# Altium PCB EEar01.PcbDoc (part 2 of 2)
Units mm, origin at the board's own origin, x right, y up, seen from the top; angles counter-clockwise.
Board outline 140 x 100 mm, 2 copper layers (Top Layer, Bottom Layer); 122 components, 86 nets, 571 pads, 1020 vias.
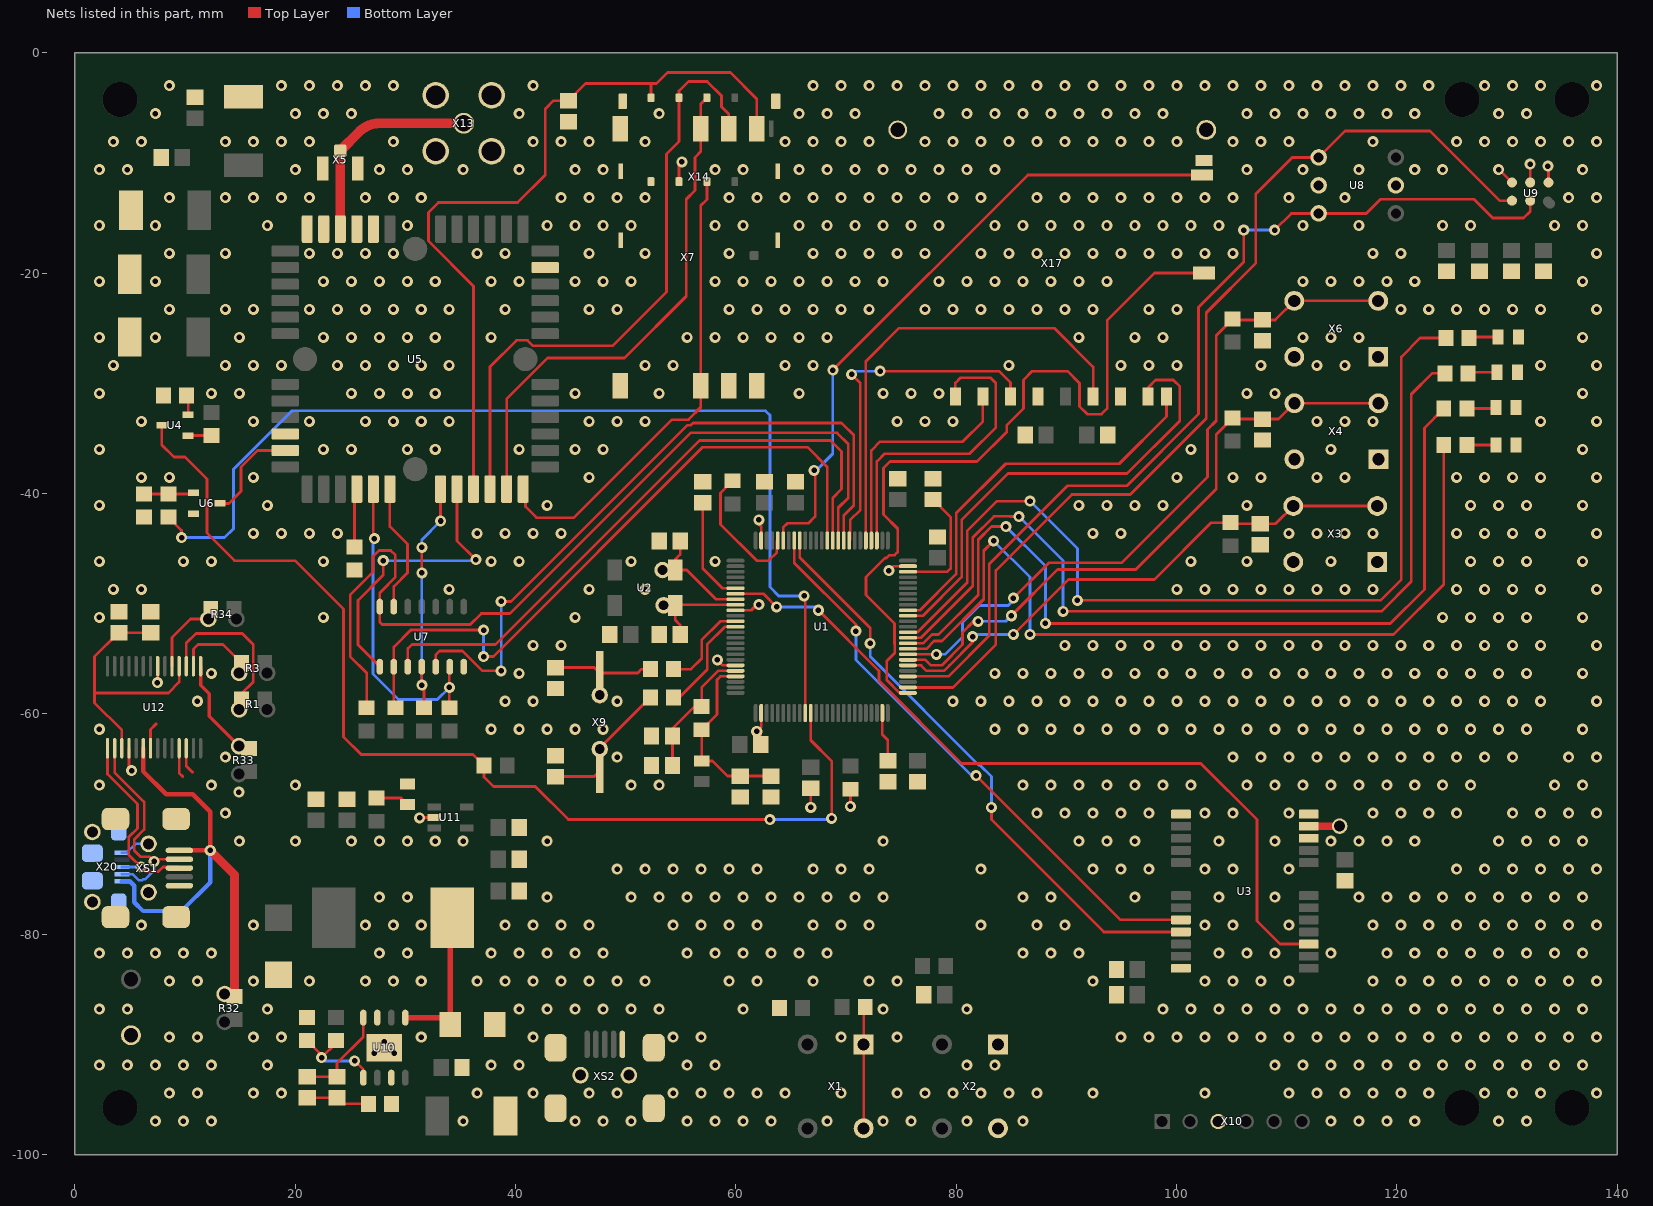
[diagram p2: the nets of this part, all layers, seen from the top]

## Via types
v1: diameter 1, hole 0.5, Top Layer to Bottom Layer, tented both sides, 1020 vias

## Nets (pads, with @x,y where several pads share a name; then routed paths per layer and width w, separated by ;. In a path a pad name is that pad's centre, name@x,y a point inside that pad or via, vN(x,y) a via of type N, cw(c..) or ccw(c..) an arc to the next point about the centre after c; other vN are vias at no path point) (continued)
GND: C1.2 C2.2 C3.2 C4.2 C5.2 C6.2 C7.2 C8.2 C9.2 C10.2 C11.2 C12.2 C13.2 C14.2 C15.2 C16.2 C17.2 C18.2 C19.1 C20.1 C21.2 C22.2 C23.2 C24.2 C25.2 C26.2 C27.2 C28.2 C29.2 C30.2 C31.2 C32.2 C33.2 C34.2 C35.2 C36.2 C37.2 C38.2 C41.2 C42.2 C43.2 C44.2 C45.2 C46.2 C47.2 C51.2 C52.2 C53.2 C54.2 D1.1 D2.1 D3.1 D4.1 D5.2 D6.1 R4.1 R17.1 R20.1 R23.2 R27.1 R29.2 R31.2 U1.10 U1.20 U1.27 U1.74 U1.99 U3.10 U3.12 U3.13 U3.24 U5.23 U5.32 U5.33 U5.35 U5.36 U5.46 U6.2 U7.7 U8.2 U8.5 U9.1 U9.2 U9.3 U10.3 U10.7 U10.9 U11.2 U12.7 U12.18 U12.21 U12.25 U12.26 X2.1 X2.3 X3.1 X3.3 X4.1 X4.3 X5.2 X5.3 X6.1 X6.3 X7.C4 X7.C5 X7.C6 X7.C8 X10.3 X13.1 X13.2 X13.3 X13.4 X14.C5 X14.C6 X14.GND1 X14.GND2 X14.GND3 X14.GND4 X14.GND5 X14.GND6 X16.2 X17.3 X17.6 X17.12 X17.13 X17.14 X20.5 X20.6 X20.7 X20.8 X20.9 X20.10 X20.11 XS1.5 XS1.6 XS1.7 XS1.8 XS1.9 XS1.10 XS1.11 XS2.5 XS2.6 XS2.7 XS2.8 XS2.9 XS2.10 XS2.11 | length 37.3
  Top Layer w0.25: U12.18@4.925,-63.125 4.925,-64.925 v1(5.162,-65.162) ; U12.21@6.875,-63.125 6.875,-61.425 7.4,-60.9 ; v1(7.493,-57.175) 7.425,-57.175 7.525,-57.075 U12.7@7.525,-55.675 ; U12.25@9.475,-63.125 9.475,-65.375 9.8,-65.7 ; U12.26@10.125,-63.125 10.125,-64.725 10.7,-65.3 ; v1@31.306,-69.4 U11.2@32.625,-69.4 ; X14.C6@54.84,-11.7 54.84,-10.16 v1(55.1,-9.9) ; v1(58.325,-55.1) 58.3,-55.1 58.8,-55.6 U1.20@59.975,-55.6 ; U1.10@59.975,-50.6 61.4,-50.6 62,-50 v1(62.1,-50.1) ; v1(62.1,-42.4) 61.9,-42.4 61.8,-42.5 62.3,-43 U1.99@62.3,-44.275 ; C12.2@62.25,-62.8 62.25,-61.55 61.95,-61.55 62.3,-61.2 U1.27@62.3,-59.925 ; v1(66.8,-68.5) C11.2@66.8,-66.75 ; v1(70.4,-68.4) R17.1@70.4,-66.85 ; v1(73.9,-47) 74.3,-46.6 U1.74@75.625,-46.6 ; v1(129.24,-10.6) 129.275,-10.6 U9.3@130.45,-11.775 ; U9.2@132.1,-11.775 v1(132.1,-10.1) ; v1(133.7,-10.3) 133.75,-10.35 U9.1@133.75,-11.775
  Bottom Layer w0.25: X20.5@4.275,-72.6 4.7,-72.6 5.5,-71.8 XS1.10@6.7,-71.8
  other v1: 7.32,-96.96 9.86,-96.96 12.4,-96.96 35.26,-96.96 45.42,-96.96 47.96,-96.96 50.5,-96.96 55.58,-96.96 58.12,-96.96 60.66,-96.96 63.2,-96.96 68.28,-96.96 73.36,-96.96 75.9,-96.96 80.98,-96.96 86.06,-96.96 114,-96.96 116.54,-96.96 119.08,-96.96 121.62,-96.96 129.24,-96.96 131.78,-96.96 8.59,-94.42 11.13,-94.42 16.21,-94.42 18.75,-94.42 36.53,-94.42 41.61,-94.42 46.69,-94.42 49.23,-94.42 54.31,-94.42 56.85,-94.42 59.39,-94.42 61.93,-94.42 64.47,-94.42 69.55,-94.42 74.63,-94.42 77.17,-94.42 79.71,-94.42 82.25,-94.42 84.79,-94.42 87.33,-94.42 92.41,-94.42 102.57,-94.42 110.19,-94.42 112.73,-94.42 115.27,-94.42 117.81,-94.42 120.35,-94.42 122.89,-94.42 127.97,-94.42 130.51,-94.42 133.05,-94.42 138.13,-94.42 2.24,-91.88 4.78,-91.88 7.32,-91.88 9.86,-91.88 12.4,-91.88 17.48,-91.88 37.8,-91.88 40.34,-91.88 55.58,-91.88 58.12,-91.88 80.98,-91.88 83.52,-91.88 108.92,-91.88 111.46,-91.88 114,-91.88 116.54,-91.88 119.08,-91.88 121.62,-91.88 124.16,-91.88 126.7,-91.88 129.24,-91.88 131.78,-91.88 134.32,-91.88 136.86,-91.88 27.2,-90.8 29,-90.8 28.1,-89.75 8.59,-89.34 11.13,-89.34 16.21,-89.34 18.75,-89.34 31.45,-89.34 41.61,-89.34 54.31,-89.34 56.85,-89.34 69.55,-89.34 74.63,-89.34 94.95,-89.34 97.49,-89.34 100.03,-89.34 102.57,-89.34 105.11,-89.34 107.65,-89.34 110.19,-89.34 112.73,-89.34 115.27,-89.34 117.81,-89.34 120.35,-89.34 122.89,-89.34 125.43,-89.34 127.97,-89.34 130.51,-89.34 133.05,-89.34 135.59,-89.34 138.13,-89.34 2.24,-86.8 4.78,-86.8 17.48,-86.8 40.34,-86.8 42.88,-86.8 45.42,-86.8 47.96,-86.8 50.5,-86.8 53.04,-86.8 60.66,-86.8 73.36,-86.8 80.98,-86.8 98.76,-86.8 101.3,-86.8 103.84,-86.8 106.38,-86.8 108.92,-86.8 111.46,-86.8 114,-86.8 116.54,-86.8 119.08,-86.8 121.62,-86.8 124.16,-86.8 126.7,-86.8 129.24,-86.8 131.78,-86.8 134.32,-86.8 136.86,-86.8 8.59,-84.26 11.13,-84.26 16.21,-84.26 21.29,-84.26 26.37,-84.26 28.91,-84.26 31.45,-84.26 36.53,-84.26 39.07,-84.26 41.61,-84.26 44.15,-84.26 46.69,-84.26 49.23,-84.26 51.77,-84.26 59.39,-84.26 61.93,-84.26 67.01,-84.26 72.09,-84.26 74.63,-84.26 92.41,-84.26 102.57,-84.26 105.11,-84.26 107.65,-84.26 110.19,-84.26 117.81,-84.26 120.35,-84.26 122.89,-84.26 125.43,-84.26 127.97,-84.26 130.51,-84.26 133.05,-84.26 135.59,-84.26 138.13,-84.26 2.24,-81.72 4.78,-81.72 7.32,-81.72 9.86,-81.72 12.4,-81.72 27.64,-81.72 30.18,-81.72 37.8,-81.72 40.34,-81.72 42.88,-81.72 45.42,-81.72 47.96,-81.72 55.58,-81.72 58.12,-81.72 60.66,-81.72 63.2,-81.72 65.74,-81.72 68.28,-81.72 86.06,-81.72 88.6,-81.72 91.14,-81.72 103.84,-81.72 106.38,-81.72 108.92,-81.72 114,-81.72 119.08,-81.72 121.62,-81.72 124.16,-81.72 126.7,-81.72 129.24,-81.72 131.78,-81.72 134.32,-81.72 136.86,-81.72 6.05,-79.18 16.21,-79.18 26.37,-79.18 28.91,-79.18 31.45,-79.18 39.07,-79.18 41.61,-79.18 44.15,-79.18 46.69,-79.18 54.31,-79.18 56.85,-79.18 59.39,-79.18 61.93,-79.18 67.01,-79.18 69.55,-79.18 72.09,-79.18 82.25,-79.18 87.33,-79.18 89.87,-79.18 102.57,-79.18 105.11,-79.18 110.19,-79.18 117.81,-79.18 120.35,-79.18 122.89,-79.18 125.43,-79.18 127.97,-79.18 130.51,-79.18 133.05,-79.18 135.59,-79.18 138.13,-79.18 27.64,-76.64 30.18,-76.64 42.88,-76.64 50.5,-76.64 53.04,-76.64 55.58,-76.64 58.12,-76.64 60.66,-76.64 63.2,-76.64 65.74,-76.64 68.28,-76.64 70.82,-76.64 73.36,-76.64 86.06,-76.64 88.6,-76.64 96.22,-76.64 103.84,-76.64 108.92,-76.64 116.54,-76.64 119.08,-76.64 121.62,-76.64 124.16,-76.64 126.7,-76.64 129.24,-76.64 131.78,-76.64 134.32,-76.64 136.86,-76.64 49.23,-74.1 51.77,-74.1 54.31,-74.1 56.85,-74.1 59.39,-74.1 61.93,-74.1 67.01,-74.1 69.55,-74.1 72.09,-74.1 82.25,-74.1 92.41,-74.1 94.95,-74.1 97.49,-74.1 102.57,-74.1 105.11,-74.1 110.19,-74.1 125.43,-74.1 127.97,-74.1 130.51,-74.1 133.05,-74.1 135.59,-74.1 138.13,-74.1 14.94,-71.56 20.02,-71.56 25.1,-71.56 27.64,-71.56 30.18,-71.56 32.72,-71.56 35.26,-71.56 42.88,-71.56 73.36,-71.56 91.14,-71.56 93.68,-71.56 96.22,-71.56 103.84,-71.56 108.92,-71.56 114,-71.56 116.54,-71.56 119.08,-71.56 121.62,-71.56 129.24,-71.56 131.78,-71.56 134.32,-71.56 136.86,-71.56 31.306,-69.45 13.67,-69.02 87.33,-69.02 89.87,-69.02 92.41,-69.02 94.95,-69.02 97.49,-69.02 102.57,-69.02 105.11,-69.02 110.19,-69.02 117.81,-69.02 120.35,-69.02 122.89,-69.02 125.43,-69.02 130.51,-69.02 133.05,-69.02 135.59,-69.02 138.13,-69.02 14.9,-67.1 2.24,-66.48 12.4,-66.48 20.02,-66.48 50.5,-66.48 53.04,-66.48 86.06,-66.48 88.6,-66.48 91.14,-66.48 93.68,-66.48 96.22,-66.48 98.76,-66.48 101.3,-66.48 106.38,-66.48 108.92,-66.48 111.46,-66.48 114,-66.48 116.54,-66.48 119.08,-66.48 121.62,-66.48 124.16,-66.48 126.7,-66.48 134.32,-66.48 136.86,-66.48 13.67,-63.94 49.23,-63.94 105.11,-63.94 107.65,-63.94 110.19,-63.94 112.73,-63.94 115.27,-63.94 117.81,-63.94 120.35,-63.94 122.89,-63.94 125.43,-63.94 127.97,-63.94 130.51,-63.94 135.59,-63.94 138.13,-63.94 61.9,-61.6 2.24,-61.4 37.8,-61.4 40.34,-61.4 42.88,-61.4 45.42,-61.4 47.96,-61.4 83.52,-61.4 86.06,-61.4 88.6,-61.4 91.14,-61.4 93.68,-61.4 96.22,-61.4 98.76,-61.4 101.3,-61.4 103.84,-61.4 106.38,-61.4 108.92,-61.4 111.46,-61.4 114,-61.4 116.54,-61.4 119.08,-61.4 121.62,-61.4 124.16,-61.4 126.7,-61.4 129.24,-61.4 131.78,-61.4 136.86,-61.4 11.13,-58.86 39.07,-58.86 41.61,-58.86 49.23,-58.86 79.71,-58.86 82.25,-58.86 84.79,-58.86 87.33,-58.86 89.87,-58.86 92.41,-58.86 94.95,-58.86 97.49,-58.86 100.03,-58.86 102.57,-58.86 105.11,-58.86 107.65,-58.86 110.19,-58.86 112.73,-58.86 115.27,-58.86 117.81,-58.86 120.35,-58.86 122.89,-58.86 125.43,-58.86 127.97,-58.86 130.51,-58.86 133.05,-58.86 138.13,-58.86 12.4,-56.32 40.34,-56.32 83.52,-56.32 86.06,-56.32 88.6,-56.32 91.14,-56.32 93.68,-56.32 96.22,-56.32 98.76,-56.32 101.3,-56.32 103.84,-56.32 106.38,-56.32 108.92,-56.32 111.46,-56.32 114,-56.32 116.54,-56.32 119.08,-56.32 121.62,-56.32 124.16,-56.32 126.7,-56.32 129.24,-56.32 131.78,-56.32 136.86,-56.32 41.61,-53.78 44.15,-53.78 89.87,-53.78 92.41,-53.78 94.95,-53.78 97.49,-53.78 100.03,-53.78 102.57,-53.78 105.11,-53.78 107.65,-53.78 110.19,-53.78 112.73,-53.78 115.27,-53.78 117.81,-53.78 120.35,-53.78 122.89,-53.78 125.43,-53.78 127.97,-53.78 130.51,-53.78 133.05,-53.78 138.13,-53.78 2.24,-51.24 22.56,-51.24 45.42,-51.24 124.16,-51.24 126.7,-51.24 129.24,-51.24 131.78,-51.24 136.86,-51.24 3.51,-48.7 6.05,-48.7 33.99,-48.7 46.69,-48.7 51.77,-48.7 100.03,-48.7 102.57,-48.7 105.11,-48.7 107.65,-48.7 110.19,-48.7 112.73,-48.7 115.27,-48.7 117.81,-48.7 125.43,-48.7 127.97,-48.7 130.51,-48.7 133.05,-48.7 138.13,-48.7 2.24,-46.16 9.86,-46.16 12.4,-46.16 22.56,-46.16 37.8,-46.16 40.34,-46.16 50.5,-46.16 58.12,-46.16 101.3,-46.16 106.38,-46.16 114,-46.16 126.7,-46.16 129.24,-46.16 131.78,-46.16 136.86,-46.16 16.21,-43.62 18.75,-43.62 21.29,-43.62 23.83,-43.62 36.53,-43.62 39.07,-43.62 41.61,-43.62 44.15,-43.62 92.41,-43.62 94.95,-43.62 110.19,-43.62 112.73,-43.62 115.27,-43.62 117.81,-43.62 125.43,-43.62 127.97,-43.62 130.51,-43.62 133.05,-43.62 138.13,-43.62 2.24,-41.08 17.48,-41.08 42.88,-41.08 91.14,-41.08 93.68,-41.08 96.22,-41.08 98.76,-41.08 106.38,-41.08 126.7,-41.08 129.24,-41.08 131.78,-41.08 136.86,-41.08 6.05,-38.54 8.59,-38.54 16.21,-38.54 46.69,-38.54 100.03,-38.54 105.11,-38.54 107.65,-38.54 112.73,-38.54 115.27,-38.54 125.43,-38.54 127.97,-38.54 130.51,-38.54 133.05,-38.54 138.13,-38.54 2.24,-36 22.56,-36 25.1,-36 30.18,-36 32.72,-36 40.34,-36 45.42,-36 47.96,-36 101.3,-36 114,-36 136.86,-36 6.05,-33.46 16.21,-33.46 21.29,-33.46 26.37,-33.46 28.91,-33.46 31.45,-33.46 33.99,-33.46 46.69,-33.46 49.23,-33.46 51.77,-33.46 74.63,-33.46 77.17,-33.46 79.71,-33.46 112.73,-33.46 115.27,-33.46 117.81,-33.46 133.05,-33.46 138.13,-33.46 2.24,-30.92 12.4,-30.92 14.94,-30.92 25.1,-30.92 27.64,-30.92 30.18,-30.92 32.72,-30.92 45.42,-30.92 53.04,-30.92 65.74,-30.92 73.36,-30.92 75.9,-30.92 78.44,-30.92 106.38,-30.92 108.92,-30.92 136.86,-30.92 3.51,-28.38 13.67,-28.38 16.21,-28.38 18.75,-28.38 23.83,-28.38 26.37,-28.38 28.91,-28.38 31.45,-28.38 33.99,-28.38 51.77,-28.38 54.31,-28.38 64.47,-28.38 67.01,-28.38 84.79,-28.38 94.95,-28.38 97.49,-28.38 100.03,-28.38 107.65,-28.38 112.73,-28.38 115.27,-28.38 133.05,-28.38 138.13,-28.38 2.24,-25.84 7.32,-25.84 14.94,-25.84 22.56,-25.84 25.1,-25.84 27.64,-25.84 30.18,-25.84 32.72,-25.84 37.8,-25.84 55.58,-25.84 58.12,-25.84 60.66,-25.84 63.2,-25.84 65.74,-25.84 68.28,-25.84 91.14,-25.84 96.22,-25.84 98.76,-25.84 111.46,-25.84 114,-25.84 116.54,-25.84 136.86,-25.84 8.59,-23.3 13.67,-23.3 16.21,-23.3 21.29,-23.3 23.83,-23.3 26.37,-23.3 28.91,-23.3 31.45,-23.3 33.99,-23.3 39.07,-23.3 46.69,-23.3 49.23,-23.3 59.39,-23.3 61.93,-23.3 64.47,-23.3 67.01,-23.3 69.55,-23.3 72.09,-23.3 77.17,-23.3 79.71,-23.3 82.25,-23.3 84.79,-23.3 87.33,-23.3 89.87,-23.3 92.41,-23.3 97.49,-23.3 100.03,-23.3 120.35,-23.3 122.89,-23.3 125.43,-23.3 127.97,-23.3 130.51,-23.3 133.05,-23.3 138.13,-23.3 2.24,-20.76 7.32,-20.76 22.56,-20.76 25.1,-20.76 27.64,-20.76 30.18,-20.76 32.72,-20.76 37.8,-20.76 40.34,-20.76 45.42,-20.76 47.96,-20.76 50.5,-20.76 58.12,-20.76 60.66,-20.76 63.2,-20.76 65.74,-20.76 68.28,-20.76 70.82,-20.76 73.36,-20.76 78.44,-20.76 80.98,-20.76 83.52,-20.76 86.06,-20.76 88.6,-20.76 91.14,-20.76 93.68,-20.76 111.46,-20.76 114,-20.76 116.54,-20.76 119.08,-20.76 121.62,-20.76 136.86,-20.76 8.59,-18.22 13.67,-18.22 21.29,-18.22 23.83,-18.22 26.37,-18.22 28.91,-18.22 36.53,-18.22 39.07,-18.22 46.69,-18.22 51.77,-18.22 59.39,-18.22 67.01,-18.22 69.55,-18.22 72.09,-18.22 74.63,-18.22 77.17,-18.22 82.25,-18.22 84.79,-18.22 87.33,-18.22 89.87,-18.22 92.41,-18.22 94.95,-18.22 97.49,-18.22 100.03,-18.22 102.57,-18.22 105.11,-18.22 117.81,-18.22 120.35,-18.22 138.13,-18.22 2.24,-15.68 7.32,-15.68 17.48,-15.68 30.18,-15.68 42.88,-15.68 45.42,-15.68 47.96,-15.68 50.5,-15.68 58.12,-15.68 60.66,-15.68 65.74,-15.68 68.28,-15.68 70.82,-15.68 73.36,-15.68 75.9,-15.68 78.44,-15.68 83.52,-15.68 86.06,-15.68 88.6,-15.68 91.14,-15.68 93.68,-15.68 96.22,-15.68 98.76,-15.68 101.3,-15.68 103.84,-15.68 111.46,-15.68 116.54,-15.68 124.16,-15.68 126.7,-15.68 134.32,-15.68 136.86,-15.68 8.59,-13.14 13.67,-13.14 16.21,-13.14 18.75,-13.14 21.29,-13.14 26.37,-13.14 28.91,-13.14 31.45,-13.14 44.15,-13.14 46.69,-13.14 49.23,-13.14 51.77,-13.14 59.39,-13.14 61.93,-13.14 64.47,-13.14 67.01,-13.14 69.55,-13.14 72.09,-13.14 74.63,-13.14 77.17,-13.14 79.71,-13.14 82.25,-13.14 87.33,-13.14 89.87,-13.14 92.41,-13.14 94.95,-13.14 97.49,-13.14 100.03,-13.14 102.57,-13.14 105.11,-13.14 110.19,-13.14 115.27,-13.14 135.59,-13.14 138.13,-13.14 2.24,-10.6 4.78,-10.6 20.02,-10.6 27.64,-10.6 30.18,-10.6 35.26,-10.6 40.34,-10.6 45.42,-10.6 47.96,-10.6 58.12,-10.6 60.66,-10.6 65.74,-10.6 68.28,-10.6 70.82,-10.6 73.36,-10.6 75.9,-10.6 78.44,-10.6 80.98,-10.6 83.52,-10.6 106.38,-10.6 111.46,-10.6 116.54,-10.6 121.62,-10.6 124.16,-10.6 136.86,-10.6 3.51,-8.06 6.05,-8.06 13.67,-8.06 16.21,-8.06 18.75,-8.06 21.29,-8.06 28.91,-8.06 41.61,-8.06 44.15,-8.06 46.69,-8.06 51.77,-8.06 64.47,-8.06 67.01,-8.06 69.55,-8.06 72.09,-8.06 77.17,-8.06 79.71,-8.06 82.25,-8.06 84.79,-8.06 87.33,-8.06 89.87,-8.06 92.41,-8.06 94.95,-8.06 97.49,-8.06 100.03,-8.06 105.11,-8.06 107.65,-8.06 110.19,-8.06 117.81,-8.06 125.43,-8.06 127.97,-8.06 130.51,-8.06 133.05,-8.06 135.59,-8.06 138.13,-8.06 7.32,-5.52 20.02,-5.52 22.56,-5.52 25.1,-5.52 40.34,-5.52 53.04,-5.52 65.74,-5.52 68.28,-5.52 70.82,-5.52 78.44,-5.52 80.98,-5.52 83.52,-5.52 86.06,-5.52 88.6,-5.52 91.14,-5.52 93.68,-5.52 96.22,-5.52 98.76,-5.52 106.38,-5.52 108.92,-5.52 111.46,-5.52 114,-5.52 116.54,-5.52 119.08,-5.52 121.62,-5.52 129.24,-5.52 131.78,-5.52 8.59,-2.98 18.75,-2.98 21.29,-2.98 23.83,-2.98 26.37,-2.98 28.91,-2.98 41.61,-2.98 67.01,-2.98 69.55,-2.98 72.09,-2.98 74.63,-2.98 77.17,-2.98 79.71,-2.98 82.25,-2.98 84.79,-2.98 87.33,-2.98 89.87,-2.98 92.41,-2.98 94.95,-2.98 97.49,-2.98 100.03,-2.98 102.57,-2.98 105.11,-2.98 107.65,-2.98 110.19,-2.98 112.73,-2.98 115.27,-2.98 117.81,-2.98 120.35,-2.98 122.89,-2.98 127.97,-2.98 130.51,-2.98 133.05,-2.98 138.13,-2.98
GPS_1PPS: U1.7 U3.3 | length 71.1
  Top Layer w0.25: U1.7@59.975,-49.1 62.5,-49.1 v1(63.7,-50.3) ; v1(67.5,-50.6) 73,-56.1 73,-57 80.5,-64.5 102.2,-64.5 107.3,-69.6 107.3,-78.8 109.4,-80.9 U3.3@112,-80.9
  Bottom Layer w0.25: v1(63.7,-50.3) 67.2,-50.3 v1(67.5,-50.6)
GPS_CPU_RX: U1.93 U3.20 | length 52.4
  Top Layer w0.25: U1.93@65.3,-44.275 65.3,-46.3 70.9,-51.9 v1(70.9,-52.5) ; v1(81.8,-65.6) 94.9,-78.7 U3.20@100.4,-78.7
  Bottom Layer w0.25: v1(70.9,-52.5) 70.9,-55.1 81.4,-65.6 v1(81.8,-65.6)
GPS_CPU_TX: U1.92 U3.21 | length 54
  Top Layer w0.25: U1.92@65.8,-44.275 65.8,-45.8 72.2,-52.2 v1(72.2,-53.6) ; v1(83.2,-68.5) 83.2,-69.6 93.4,-79.8 U3.21@100.4,-79.8
  Bottom Layer w0.25: v1(72.2,-53.6) 72.2,-54.8 82.075,-64.675 82.183,-64.675 83.2,-65.692 v1(83.2,-68.5)
GSM_CTS: R22.1 U1.85 U7.14 | length 83.7
  Top Layer w0.25: R22.1@26.5,-59.45 26.5,-56.3 25,-54.8 25,-49.2 27.075,-47.125 27.075,-45.717 27.617,-45.175 28.675,-45.175 29.1,-45.6 29.1,-47.593 28.46,-48.233 28.46,-48.24 27.69,-49.01 U7.14@27.69,-50.275 27.69,-51.69 27.9,-51.9 35.9,-51.9 36.9,-50.9 39.5,-50.9 55.9,-34.5 69.2,-34.5 70.2,-35.5 70.2,-40.4 69.3,-41.3 U1.85@69.3,-44.275
GSM_POWER_OK: R18.1 U1.36 U4.3 | length 97.4
  Top Layer w0.25: U4.3@7.9,-33.8 7.9,-35.6 9,-36.7 10,-36.7 12,-38.7 12,-43.6 14.5,-46.1 20,-46.1 24.4,-50.5 24.4,-62.1 26,-63.7 36.15,-63.7 R18.1@37.15,-64.7 37.15,-65.75 38,-66.6 41.8,-66.6 44.8,-69.6 v1(63.1,-69.6) ; U1.36@66.8,-59.925 66.8,-62.4 68.7,-64.3 v1(68.7,-69.5)
  Bottom Layer w0.25: v1(63.1,-69.6) 68.6,-69.6 v1(68.7,-69.5)
GSM_RESET: R26.1 U1.35 | length 93.5
  Top Layer w0.25: R26.1@8.5,-42.15 9.7,-43.35 v1(9.7,-44) ; v1(66.2,-49.3) 66.3,-49.4 U1.35@66.3,-59.925
  Bottom Layer w0.25: v1(9.7,-44) 13.6,-44 14.4,-43.2 14.4,-37.8 19.7,-32.5 62.7,-32.5 63.1,-32.9 63.1,-48.5 63.9,-49.3 v1(66.2,-49.3)
GSM_RTS: U1.84 U7.5 | length 63.3
  Top Layer w0.25: U7.5@32.77,-55.725 32.77,-54.63 33.1,-54.3 35.2,-54.3 37,-56.1 v1(38.7,-56.1) ; v1(38.7,-49.8) 39.6,-49.8 55.6,-33.8 55.907,-33.8 56.107,-33.6 69.6,-33.6 70.7,-34.7 70.7,-41.1 69.8,-42 U1.84@69.8,-44.275
  Bottom Layer w0.25: v1(38.7,-56.1) v1(38.7,-49.8)
GSM_RX: R21.1 U1.87 U7.2 | length 63.2
  Top Layer w0.25: R21.1@29.1,-59.45 28.96,-59.31 U7.2@28.96,-55.725 28.96,-53.94 30.5,-52.4 v1(37.1,-52.4) ; v1(37.1,-54.8) 38,-54.8 57,-35.8 66.5,-35.8 68.3,-37.6 U1.87@68.3,-44.275
  Bottom Layer w0.25: v1(37.1,-54.8) v1(37.1,-52.4)
GSM_TX: U1.86 U7.3 | length 57.7
  Top Layer w0.25: U7.3@30.23,-55.725 30.23,-54.07 30.6,-53.7 38.2,-53.7 56.7,-35.2 68.6,-35.2 69.6,-36.2 69.6,-39.6 68.8,-40.4 U1.86@68.8,-44.275
MIC_CLK: U1.52 U8.3 U9.4 | length 91.6
  Top Layer w0.25: U1.52@75.625,-57.6 79.7,-57.6 83.6,-53.7 83.6,-47 90.5,-40.1 95.8,-40.1 102.7,-33.2 102.7,-23.6 107.2,-19.1 107.2,-12.8 110.5,-9.5 U8.3@112.9,-9.5 115.3,-7.1 123,-7.1 129.325,-13.425 U9.4@130.45,-13.425
MIC_DATA_R: U1.54 U8.1 U9.5 | length 87.5
  Top Layer w0.25: U1.54@75.625,-56.6 79.3,-56.6 83,-52.9 83,-46.4 90.1,-39.3 95.493,-39.3 102,-32.793 102,-23.1 106.1,-19 v1(106.1,-16.1) ; v1(108.9,-16.1) 110.42,-14.58 U8.1@112.9,-14.58 117.22,-14.58 118.5,-13.3 127,-13.3 128.7,-15 131.5,-15 132.1,-14.4 U9.5@132.1,-13.425
  Bottom Layer w0.25: v1(106.1,-16.1) v1(108.9,-16.1)
MOD_CTS_OUT: U5.6 U7.13 | length 11.9
  Top Layer w0.25: U5.6@28.6,-39.6 28.6,-43 30.2,-44.6 30.2,-47.2 28.96,-48.44 U7.13@28.96,-50.275
MOD_RTS_IN: R25.1 U5.5 U7.6 | length 29
  Top Layer w0.25: U5.5@27.1,-39.6 27.1,-44 v1(27.2,-44.1) ; R25.1@34,-59.45 34,-55.765 U7.6@34.04,-55.725
  Bottom Layer w0.25: v1(27.2,-44.1) 27.075,-44.225 27.075,-56.375 29.4,-58.7 32.9,-58.7 v1(34,-57.6)
MOD_RX_OUT: U5.8 U7.1 | length 27
  Top Layer w0.25: U7.1@27.69,-55.725 25.7,-53.735 25.7,-49.7 28,-47.4 v1(28,-46.1) ; U5.8@34.7,-39.6 34.7,-44.3 v1(36.4,-46)
  Bottom Layer w0.25: v1(28,-46.1) 36.4,-46.1 v1(36.4,-46)
MOD_TX_IN: R24.1 U5.7 U7.4 | length 22.3
  Top Layer w0.25: U7.4@31.5,-55.725 v1(31.5,-57.4) 31.7,-57.6 R24.1@31.7,-59.45 ; v1(31.5,-47.2) v1(31.5,-44.9) ; v1(33.2,-42.5) U5.7@33.2,-39.6
  Bottom Layer w0.25: v1(31.5,-57.4) 31.5,-53.5 v1(31.5,-47.2) ; v1(31.5,-44.9) 31.5,-44.2 v1(33.2,-42.5)
NetC5_1: C5.1 R6.2 X9.2 | length 9
  Top Layer w0.25: C5.1@43.65,-55.8 47.15,-55.8 X9.2@47.65,-56.3 51.1,-56.3 51.45,-55.95 R6.2@52.25,-55.95
NetC6_1: C6.1 R7.2 X9.1 | length 12.8
  Top Layer w0.25: C6.1@43.65,-65.7 47.15,-65.7 X9.1@47.65,-65.2 X9.1@47.65,-63.2 47.65,-63.1 R7.2@52.25,-58.5
NetC15_1: C15.1 C16.1 R15.2 U1.21 | length 12.3
  Top Layer w0.25: C15.1@54.25,-64.7 C16.1@54.25,-62 54.25,-61.35 56.25,-59.35 R15.2@56.9,-59.35 56.9,-57.6 58.4,-56.1 U1.21@59.975,-56.1
NetC17_1: C17.1 U1.73 | length 10.9
  Top Layer w0.25: U1.73@75.625,-47.1 79.2,-47.1 79.5,-46.8 79.5,-42.15 C17.1@77.9,-40.55
NetC18_1: C18.1 U1.49 | length 4.5
  Top Layer w0.25: U1.49@73.3,-59.925 73.3,-61.9 73.8,-62.4 C18.1@73.8,-64.25
NetC19_2: C19.2 C20.2 L1.2 R15.1 U1.22 | length 16.6
  Top Layer w0.25: U1.22@59.975,-56.6 58.607,-56.6 58.3,-56.907 58.3,-60.05 R15.1@56.9,-61.45 L1.2@56.9,-64.275 57.875,-64.275 59.25,-65.65 C19.2@60.4,-65.65 C20.2@63.2,-65.65
NetC21_1: C21.1 U1.6 | length 9.7
  Top Layer w0.25: C21.1@57,-40.85 57,-46.8 58.8,-48.6 U1.6@59.975,-48.6
NetC39_1: C39.1 C40.1 U10.4 | length 9.1
  Top Layer w0.25: C40.1@21.1,-92.95 C39.1@23.8,-92.95 23.8,-91.7 26.195,-89.305 U10.4@26.195,-87.575
NetC39_2: C39.2 C40.2 R31.1 | length 5.8
  Top Layer w0.25: C40.2@21.1,-94.85 C39.2@23.8,-94.85 24.35,-95.4 R31.1@26.65,-95.4
NetC46_1: C46.1 C47.1 U12.4 U12.17 | length 24.9
  Top Layer w0.25: U12.17@4.275,-63.125 4.275,-61.475 1.8,-59 1.8,-58.1 ; C47.1@6.9,-52.65 C46.1@4,-52.65 3.95,-52.65 1.8,-54.8 1.8,-58.1 ; U12.4@9.475,-55.675 9.475,-57.125 8.5,-58.1 1.8,-58.1
NetD1_2: D1.2 R12.2 | length 2.6
  Top Layer w0.25: R12.2@126.35,-35.6 D1.2@128.975,-35.6
NetD2_2: D2.2 R13.2 | length 2.7
  Top Layer w0.25: R13.2@126.35,-32.3 128.875,-32.3 D2.2@128.975,-32.2
NetD3_2: D3.2 R14.2 | length 2.7
  Top Layer w0.25: R14.2@126.45,-29.1 126.55,-29 D3.2@129.075,-29
NetD4_2: D4.2 R16.2 | length 2.7
  Top Layer w0.25: R16.2@126.55,-25.9 126.65,-25.8 D4.2@129.175,-25.8
NetD5_1: D5.1 L3.1 U10.1 | length 14.1
  Top Layer w0.5: U10.1@30.005,-87.575 33.45,-87.575 D5.1@34.075,-88.2 34.075,-78.7 L3.1@34.275,-78.5
NetD6_2: D6.2 R28.1 | length 3
  Top Layer w0.25: R28.1@27.4,-67.65 29.625,-67.65 D6.2@30.2,-68.225
NetR1_1: R1.1 U12.3 | length 14.4
  Top Layer w0.25: U12.3@10.125,-55.675 10.125,-53.575 11,-52.7 15.2,-52.7 16.2,-53.7 16.2,-57.1 15.15,-58.15 R1.1@15.15,-58.7
NetR2_2: R2.2 X1.1 X1.3 | length 11.1
  Top Layer w0.25: X1.3@71.6,-97.62 X1.1@71.6,-90 71.6,-86.75 R2.2@71.75,-86.6
NetR3_1: R3.1 U12.2 | length 6.8
  Top Layer w0.25: U12.2@10.775,-55.675 10.775,-54.125 11.2,-53.7 13.45,-53.7 R3.1@15.15,-55.4
NetR6_1: R6.1 U1.12 | length 8.4
  Top Layer w0.25: R6.1@54.35,-55.95 55.95,-55.95 56.9,-55 56.9,-53.3 58.6,-51.6 U1.12@59.975,-51.6
NetR7_1: R7.1 U1.13 | length 9.6
  Top Layer w0.25: R7.1@54.35,-58.5 54.9,-58.5 57.4,-56 57.4,-53.7 59,-52.1 U1.13@59.975,-52.1
NetR8_1: R8.1 U1.96 | length 12.3
  Top Layer w0.25: R8.1@59.7,-38.85 58.6,-39.95 58.6,-42.8 61.9,-46.1 62.975,-46.1 63.725,-45.35 63.725,-44.35 U1.96@63.8,-44.275
NetR19_1: R19.1 U4.1 | length 2.1
  Top Layer w0.25: U4.1@10.3,-34.75 R19.1@12.4,-34.75
NetR20_2: R20.2 U4.2 | length 1.8
  Top Layer w0.25: R20.2@10.15,-31.1 10.3,-31.25 U4.2@10.3,-32.85
NetR23_1: R23.1 U5.4 | length 5.3
  Top Layer w0.25: R23.1@25.4,-44.85 25.4,-39.8 U5.4@25.6,-39.6
NetR26_2: R26.2 R27.2 U6.1 | length 4.5
  Top Layer w0.25: R27.2@6.3,-40.05 R26.2@8.5,-40.05 10.7,-40.05 U6.1@10.8,-39.95
NetR29_1: R29.1 R30.2 U10.5 | length 9.2
  Top Layer w0.25: R29.1@21.1,-89.65 22.4,-90.95 v1(22.4,-91.2) 23.7,-89.9 R30.2@23.7,-89.65 ; v1(25.4,-91.5) 26.195,-92.295 U10.5@26.195,-93.025
  Bottom Layer w0.25: v1(22.4,-91.2) 22.7,-91.5 v1(25.4,-91.5)
NetR32_1: R32.1 U12.20 X20.1 XS1.1 | length 44.2
  Top Layer w0.4: U12.20@6.225,-63.125 6.225,-65.225 8.3,-67.3 10.7,-67.3 12.3,-68.9 v1(12.3,-72.4) XS1.1@9.5,-72.4
  Top Layer w0.8: v1(12.3,-72.4) 14.5,-74.6 R32.1@14.5,-85.65
  Bottom Layer w0.4: X20.1@4.275,-75.2 5,-75.2 5.4,-75.6 5.4,-77.1 6.2,-77.9 9.7,-77.9 12.3,-75.3 v1(12.3,-72.4)
NetR33_1: R33.1 U12.1 | length 8.7
  Top Layer w0.3: U12.1@11.425,-55.675 11.425,-57.425 12.2,-58.2 12.2,-60.219 R33.1@14.911,-62.93
NetR34_1: R34.1 U12.5 | length 6.6
  Top Layer w0.25: U12.5@8.825,-55.675 8.825,-53.075 10.511,-51.389 R34.1@12.13,-51.389
NetU3_11: U3.11 X11.1 | length 2.8
  Top Layer w0.7: U3.11@112,-70.2 X11.1@114.8,-70.2
NetU5_34: U5.34 X5.1 X13.5 | length 19.2
  Top Layer w0.9: U5.34@24.1,-16 X5.1@24.1,-8.9 25.856,-7.144 cw(c27.652,-8.94) 27.652,-6.4 X13.5@35.3,-6.4
NetU5_47: U5.47 U6.3 | length 9.2
  Top Layer w0.25: U6.3@13.2,-40.9 14,-40.9 15.1,-39.8 15.1,-37.6 16.6,-36.1 U5.47@19.1,-36.1
NetU12_15: U12.15 X20.3 XS1.3 | length 18.4
  Top Layer w0.25: U12.15@2.975,-63.125 2.975,-65.475 5.7,-68.2 5.7,-70.393 4.9,-71.193 4.9,-72.8 v1(6,-73.9) 6.425,-74.325 7.583,-74.325 8.008,-73.9 9.4,-73.9 XS1.3@9.5,-74 XS1.3@9.5,-74.125
  Bottom Layer w0.25: X20.3@4.275,-73.9 v1(6,-73.9)
NetU12_16: U12.16 X20.2 XS1.2 | length 19.7
  Top Layer w0.25: U12.16@3.625,-63.125 3.625,-65.325 6.3,-68 6.3,-70.5 5.4,-71.4 5.4,-72.4 5.975,-72.975 6.775,-72.975 v1(7.2,-73.4) 7.4,-73.2 XS1.2@9.5,-73.2
  Bottom Layer w0.25: X20.2@4.275,-74.55 5.25,-74.55 5.8,-75.1 6.138,-75.1 6.213,-75.025 6.375,-75.025 7.2,-74.2 v1(7.2,-73.4)
OSCI_LOW: C22.1 U1.8 U2.1 | length 9.4
  Top Layer w0.25: C22.1@54.95,-44.3 54.95,-45.55 54.5,-46 U2.1@54.5,-46.95 55.55,-46.95 58.2,-49.6 U1.8@59.975,-49.6
OSCO_LOW: C23.1 U1.9 U2.4 | length 8.3
  Top Layer w0.25: C23.1@54.95,-52.8 54.95,-51.95 54.5,-51.5 U2.4@54.5,-50.15 54.55,-50.1 U1.9@59.975,-50.1
PD9: C2.1 R5.2 U1.56 X3.2 X3.4 | length 49.4
  Top Layer w0.25: U1.56@75.625,-55.6 76.8,-55.6 77.3,-56.1 78.9,-56.1 79.4,-55.6 81.5,-53.5 v1(81.5,-53) ; v1(85.2,-52.8) 90.2,-47.8 98,-47.8 103.15,-42.65 R5.2@104.9,-42.65 105,-42.75 C2.1@107.6,-42.75 108.985,-42.75 X3.4@110.597,-41.138 X3.2@118.217,-41.138
  Bottom Layer w0.25: v1(81.5,-53) 81.7,-52.8 v1(85.2,-52.8)
PD10: C3.1 R9.2 U1.57 X4.2 X4.4 | length 56.4
  Top Layer w0.25: U1.57@75.625,-55.1 77.2,-55.1 77.7,-55.6 78.693,-55.6 80.575,-53.718 80.575,-52.617 81.592,-51.6 v1(82,-51.6) ; v1(85,-51.1) 89.2,-46.9 96.3,-46.9 103.6,-39.6 103.6,-34.65 R9.2@105.1,-33.15 105.2,-33.25 C3.1@107.8,-33.25 109.26,-33.25 X4.4@110.697,-31.813 X4.2@118.317,-31.813
  Bottom Layer w0.25: v1(82,-51.6) 84.5,-51.6 v1(85,-51.1)
PD11: C4.1 R11.2 U1.58 X6.2 X6.4 | length 64.3
  Top Layer w0.25: U1.58@75.625,-54.6 77.9,-54.6 78.1,-54.8 78.2,-54.7 v1(78.2,-54.6) ; v1(85.2,-49.5) 88.4,-46.3 95,-46.3 102.8,-38.5 102.8,-34.2 103.6,-33.4 103.6,-25.65 R11.2@105.1,-24.15 105.2,-24.25 C4.1@107.8,-24.25 108.95,-24.25 X6.4@110.68,-22.52 X6.2@118.3,-22.52
  Bottom Layer w0.25: v1(78.2,-54.6) 79,-54.6 80.575,-53.025 80.575,-51.717 82.117,-50.175 84.725,-50.175 85.3,-49.6 v1(85.2,-49.5)
PD12: R12.1 U1.59 | length 76.4
  Top Layer w0.25: U1.59@75.625,-54.1 77.3,-54.1 78,-53.4 78.7,-53.4 82.5,-49.6 82.5,-45.2 v1(83.4,-44.3) ; v1(86.7,-52.8) 119.7,-52.8 124.25,-48.25 R12.1@124.25,-35.6
  Bottom Layer w0.25: v1(83.4,-44.3) 86.7,-47.6 v1(86.7,-52.8)
PD13: R13.1 U1.60 | length 79.3
  Top Layer w0.25: U1.60@75.625,-53.6 77,-53.6 77.8,-52.8 78.4,-52.8 82,-49.2 82,-44.2 83.2,-43 v1(84.5,-43) ; v1(88.1,-51.8) 119.4,-51.8 122.5,-48.7 122.5,-34.05 R13.1@124.25,-32.3
  Bottom Layer w0.25: v1(84.5,-43) 88.1,-46.6 v1(88.1,-51.8)
PD14: R14.1 U1.61 | length 81
  Top Layer w0.25: U1.61@75.625,-53.1 76.793,-53.1 81.5,-48.393 81.5,-43.993 83.418,-42.075 84.883,-42.075 84.908,-42.1 v1(85.7,-42.1) ; v1(89.7,-50.7) 118.6,-50.7 121.3,-48 121.3,-31 123.2,-29.1 R14.1@124.35,-29.1
  Bottom Layer w0.25: v1(85.7,-42.1) 89.7,-46.1 v1(89.7,-50.7)
PD15: R16.1 U1.62 | length 84.7
  Top Layer w0.25: U1.62@75.625,-52.6 76.5,-52.6 81,-48.1 81,-43.4 83.7,-40.7 v1(86.7,-40.7) ; v1(91,-49.7) 118.5,-49.7 120.4,-47.8 120.4,-27.6 122.1,-25.9 R16.1@124.45,-25.9
  Bottom Layer w0.25: v1(86.7,-40.7) 91,-45 v1(91,-49.7)
SD_CD: U1.51 X17.10 | length 72.6
  Top Layer w0.25: U1.51@75.625,-58.1 74.874,-58.1 73.7,-56.926 73.7,-55.208 74.425,-54.483 74.425,-53.692 74.4,-53.667 74.4,-51.8 71.825,-49.225 71.817,-49.225 71.817,-47.583 73.55,-45.85 73.683,-45.85 73.933,-45.6 74.4,-45.6 74.7,-45.3 74.7,-43.2 73.4,-41.9 73.4,-37.7 74,-37.1 81.9,-37.1 84.6,-34.4 84.6,-33.8 86.1,-32.3 86.1,-29.7 86.9,-28.9 90.1,-28.9 91.2,-30 91.2,-32.1 91.9,-32.8 93.2,-32.8 93.7,-32.3 93.7,-24.3 98,-20 X17.10@102.5,-20
SD_CLK: U1.80 X17.5 | length 42.3
  Top Layer w0.25: U1.80@71.8,-44.275 71.8,-28 74.8,-25 88.9,-25 92.43,-28.53 X17.5@92.43,-31.2
SD_CMD: U1.83 X17.2 | length 32.1
  Top Layer w0.25: U1.83@70.3,-44.275 70.375,-44.2 70.375,-42.425 71.3,-41.5 71.3,-30 v1(70.5,-29.2) ; v1(73.1,-28.9) 83.9,-28.9 84.92,-29.92 X17.2@84.92,-31.2
  Bottom Layer w0.25: v1(70.5,-29.2) 70.8,-28.9 v1(73.1,-28.9)
SD_DAT0: U1.65 X17.7 | length 42.4
  Top Layer w0.25: U1.65@75.625,-51.1 77,-51.1 80.5,-47.6 80.5,-42.4 84.7,-38.2 95.5,-38.2 100.3,-33.4 100.3,-30.3 99.7,-29.7 98.1,-29.7 97.43,-30.37 X17.7@97.43,-31.2
SD_DAT1: U1.66 X17.8 | length 35.8
  Top Layer w0.25: U1.66@75.625,-50.6 76.7,-50.6 80,-47.3 80,-41.8 84.5,-37.3 94.8,-37.3 99.08,-33.02 X17.8@99.08,-31.2
SD_DAT2: U1.78 X17.9 | length 28.6
  Top Layer w0.25: U1.78@72.8,-44.275 72.8,-37.1 73.5,-36.4 75.425,-36.4 79.275,-36.4 81.2,-36.4 83.6,-34 83.6,-30 83.1,-29.5 80.4,-29.5 79.92,-29.98 X17.9@79.92,-31.2
SD_DAT3: U1.79 X17.1 | length 21.7
  Top Layer w0.25: U1.79@72.3,-44.275 72.3,-36.1 73.1,-35.3 80.6,-35.3 82.42,-33.48 X17.1@82.42,-31.2
SD_WP: U1.95 X17.11 | length 59.5
  Top Layer w0.25: U1.95@64.3,-44.275 64.3,-43.1 64.7,-42.7 66.6,-42.7 67.2,-42.1 67.2,-38 v1(67.1,-37.9) ; v1(68.8,-28.8) 86.5,-11.1 X17.11@102.3,-11.1
  Bottom Layer w0.25: v1(67.1,-37.9) 67.3,-37.9 68.8,-36.4 v1(68.8,-28.8)
SIM_CLOCK: U5.11 X7.C3 X14.C3 | length 47.1
  Top Layer w0.25: U5.11@39.2,-39.6 39.2,-31.409 42.909,-27.7 49.9,-27.7 55.5,-22.1 55.5,-13.3 56.3,-12.5 56.3,-9.5 56.82,-8.98 X7.C3@56.82,-6.9 56.82,-4.64 X14.C3@57.38,-4.08
SIM_IO: U5.12 X7.C7 X14.C7 | length 42.9
  Top Layer w0.25: U5.12@40.7,-39.6 40.9,-39.8 40.9,-41.2 41.9,-42.2 45.3,-42.2 54.2,-33.3 55.7,-33.3 56.82,-32.18 X7.C7@56.82,-30.213 56.82,-13.88 57.38,-13.32 X14.C7@57.38,-11.7
SIM_RESET: U5.10 X7.C2 X14.C2 | length 57.1
  Top Layer w0.25: U5.10@37.7,-39.6 37.7,-28.5 40.1,-26.1 41.109,-26.1 41.609,-26.6 48.8,-26.6 53.7,-21.7 53.7,-9.2 54.84,-8.06 X14.C2@54.84,-4.08 54.84,-3.46 55.7,-2.6 57.4,-2.6 58.7,-3.9 58.7,-4.9 59.36,-5.56 X7.C2@59.36,-6.9
SIM_VCC: C54.1 U5.9 X7.C1 X14.C1 | length 70.4
  Top Layer w0.25: U5.9@36.2,-39.6 36.2,-21.191 32.1,-17.091 32.1,-14.5 33,-13.6 40.2,-13.6 42.7,-11.1 42.7,-5.1 43.45,-4.35 C54.1@44.8,-4.35 46.35,-2.8 52.2,-2.8 ; X14.C1@52.3,-4.08 52.3,-2.9 52.2,-2.8 ; X7.C1@61.9,-6.9 61.9,-4.2 59.5,-1.8 53.8,-1.8 52.8,-2.8 52.2,-2.8
pads on no net: U1.1 U1.2 U1.3 U1.4 U1.5 U1.15 U1.16 U1.17 U1.18 U1.23 U1.24 U1.25 U1.26 U1.29 U1.30 U1.31 U1.32 U1.33 U1.34 U1.38 U1.39 U1.40 U1.41 U1.42 U1.43 U1.44 U1.45 U1.46 U1.53 U1.55 U1.63 U1.64 U1.67 U1.68 U1.69 U1.70 U1.71 U1.81 U1.82 U1.88 U1.91 U1.97 U1.98 U2.2 U2.3 U3.1 U3.2 U3.4 U3.5 U3.6 U3.7 U3.8 U3.14 U3.15 U3.16 U3.17 U3.18 U3.19 U5.1 U5.2 U5.3 U5.13 U5.14 U5.15 U5.16 U5.17 U5.18 U5.19 U5.20 U5.21 U5.22 U5.24 U5.25 U5.26 U5.27 U5.29 U5.30 U5.31 U5.39 U5.40 U5.41 U5.42 U5.44 U5.45 U5.48 U5.49 U5.50 U5.51 U5.52 U7.9 U7.10 U7.11 U7.12 U8.4 U10.2 U10.6 U11.4 U12.6 U12.8 U12.9 U12.10 U12.11 U12.12 U12.13 U12.14 U12.19 U12.22 U12.23 U12.24 U12.27 U12.28 X14.C4 X14.C8 X14.D0 X14.D1 X20.4 XS1.4 XS2.2 XS2.3 XS2.4

## Polygon pours and split planes (outlines as drawn)
GND on Top Layer "Top Layer-No Net" (solid, remove dead copper, pour order 4): 1,-1 139,-1 139,-99 1,-99 1,-1
GND on Bottom Layer "Top Layer-No Net" (solid, remove dead copper, pour order 6): 1,-99 1,-1 139,-1 139,-99 1,-99

## Other copper
Top Layer:
  pour cut-out: 129.3,-14.5 129.3,-10.8 132.4,-10.8 135.3,-10.8 135.3,-14.5

## Silkscreen, mask and mechanical layers (free items; w line width, h text height)
Top Overlay:
  text "RESET" at 85.8,-90.2 h0.8
  text "BOOT" at 61.6,-90.4 h0.8
  text "Discovery Board Connection" at 97.2,-95.1 h0.8
Mechanical 13:
  the board outline again, w0.254
Mechanical 29:
  lines w0.2: 12.9,-60 19.248,-57.303 ; 13,-57 19,-60 ; 13,-54 20,-57 ; 13.025,-56.797 19,-54 ; 0,-100 140,-100 140,0 0,0 0,-100
  text "TOP ASSEMBLY" at 2,1 h0.8
  text ".VariantName" at 15,1 h0.8
  text "0 ohm" at 11,-53 h0.8
  text "0 ohm" at 18,-62 h0.8 r270
Mechanical 30:
  the board outline again, w0.2
  text "BOTTOM ASSEMBLY" at 2,1 h0.8
  text ".VariantName" at 15,1 h0.8

## Dimensions
0,0 to 140,0 on Mechanical 13
140,-100 to 140,0 on Mechanical 13

## Text inside footprints (layer, text, board x,y; h text height)
U8: Mechanical 29 "CLK" at 109.5,-9.7 h0.8; Mechanical 29 "GND" at 109.4,-12.4 h0.8; Mechanical 29 "DATA" at 108.6,-15 h0.8; Mechanical 29 "3V3" at 121.3,-15.2 h0.8; Mechanical 29 "GND" at 121.2,-12.4 h0.8
U9: Mechanical 29 "1" at 133.3,-10.9 h0.8 r270
X10: Mechanical 29 "1" at 96.45,-97.75 h0.8